# Altium PCB 掌控拓展板Ⅰ V2.0.PcbDoc (part 1 of 2)
Units mm, origin at the board's own origin, x right, y up, seen from the top; angles counter-clockwise.
Board outline 51.8 x 47.39 mm, 2 copper layers (Top Layer, Bottom Layer); 114 components, 71 nets, 372 pads, 179 vias.
Unrouted connection lines stored in the file: 4.
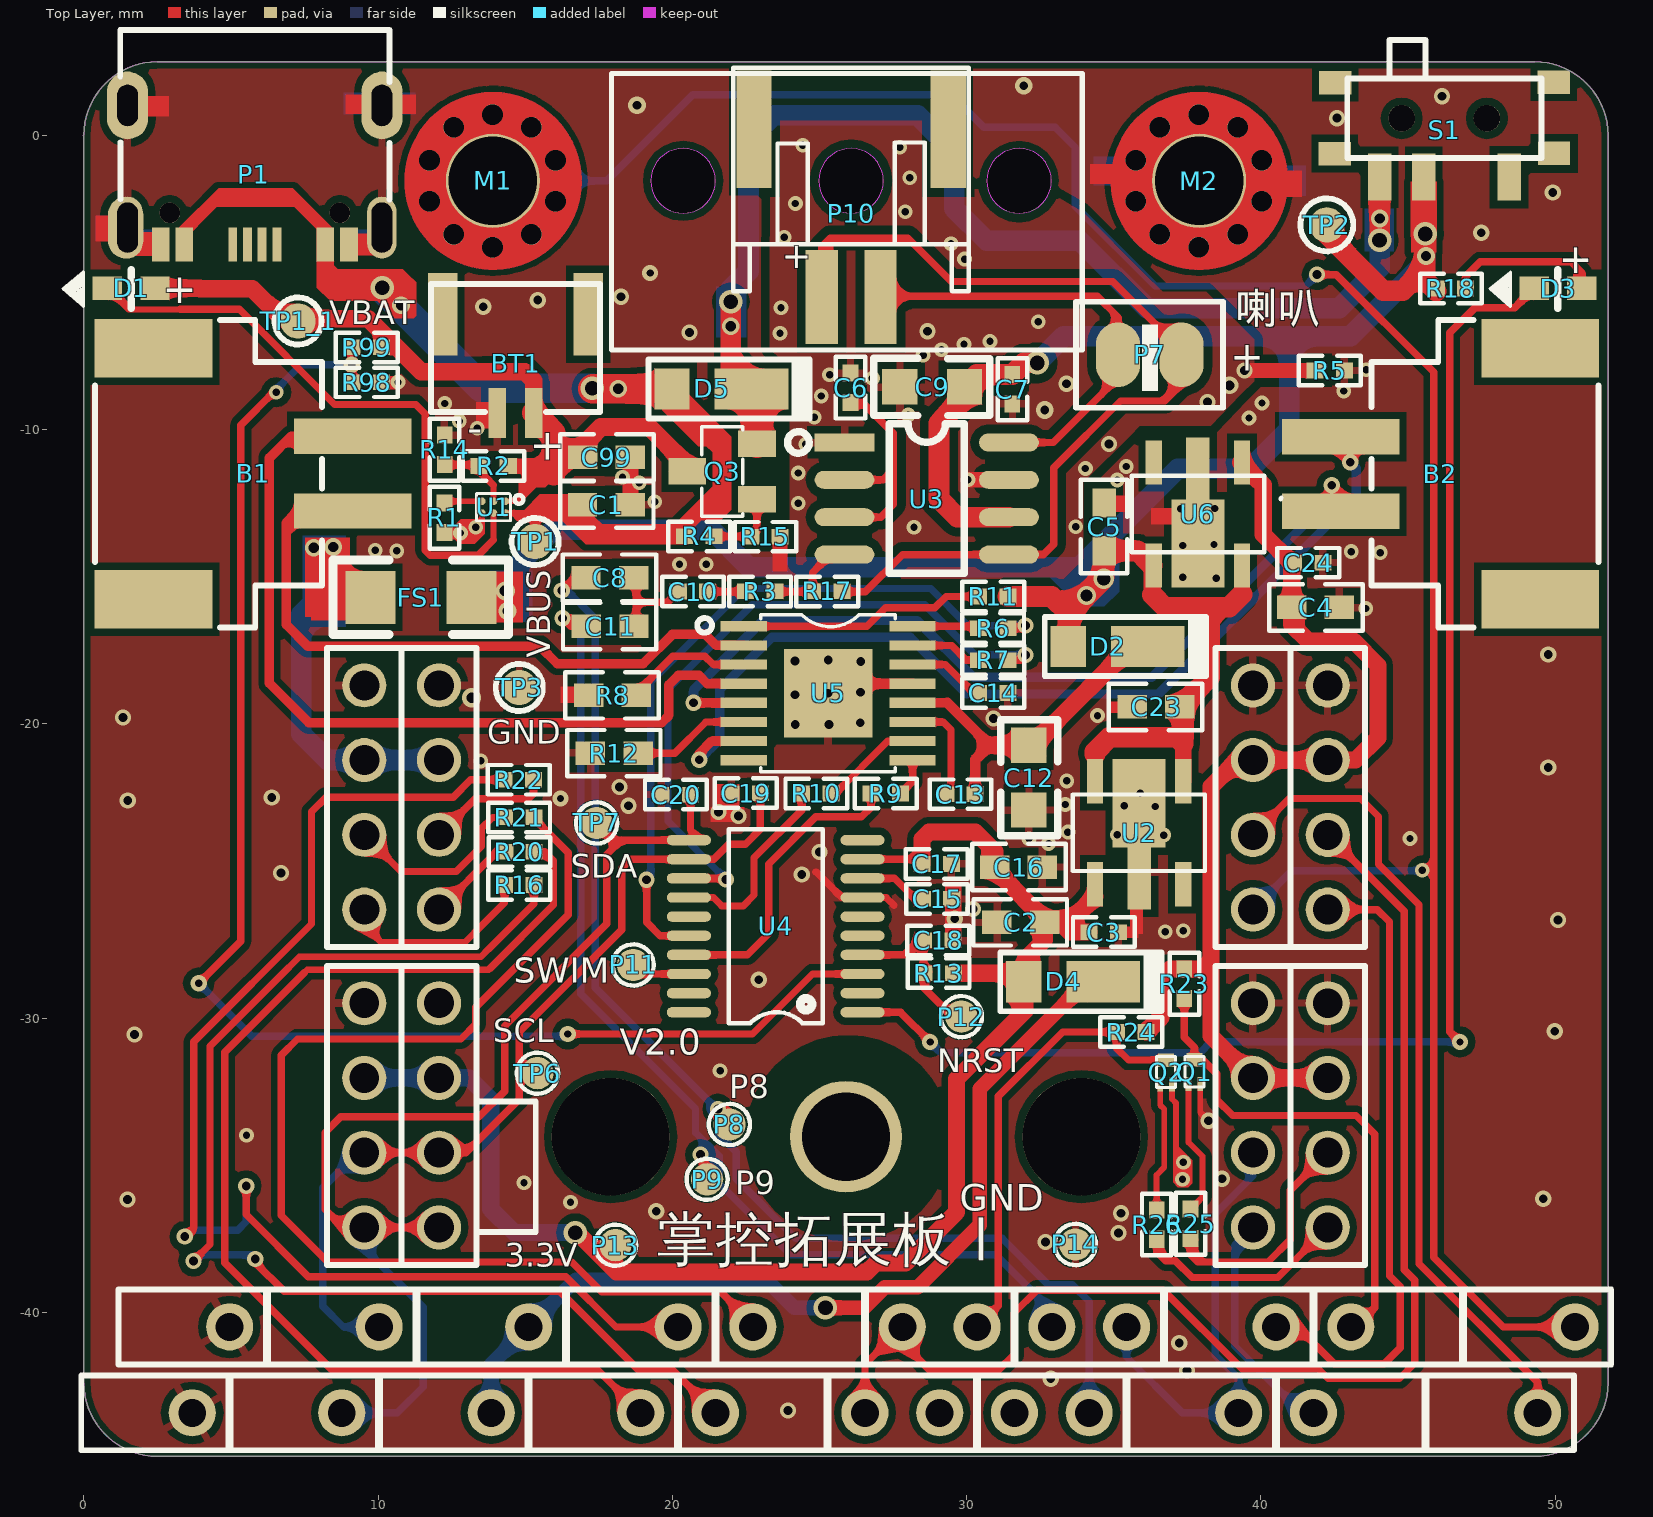
[diagram p0: Top Layer view]
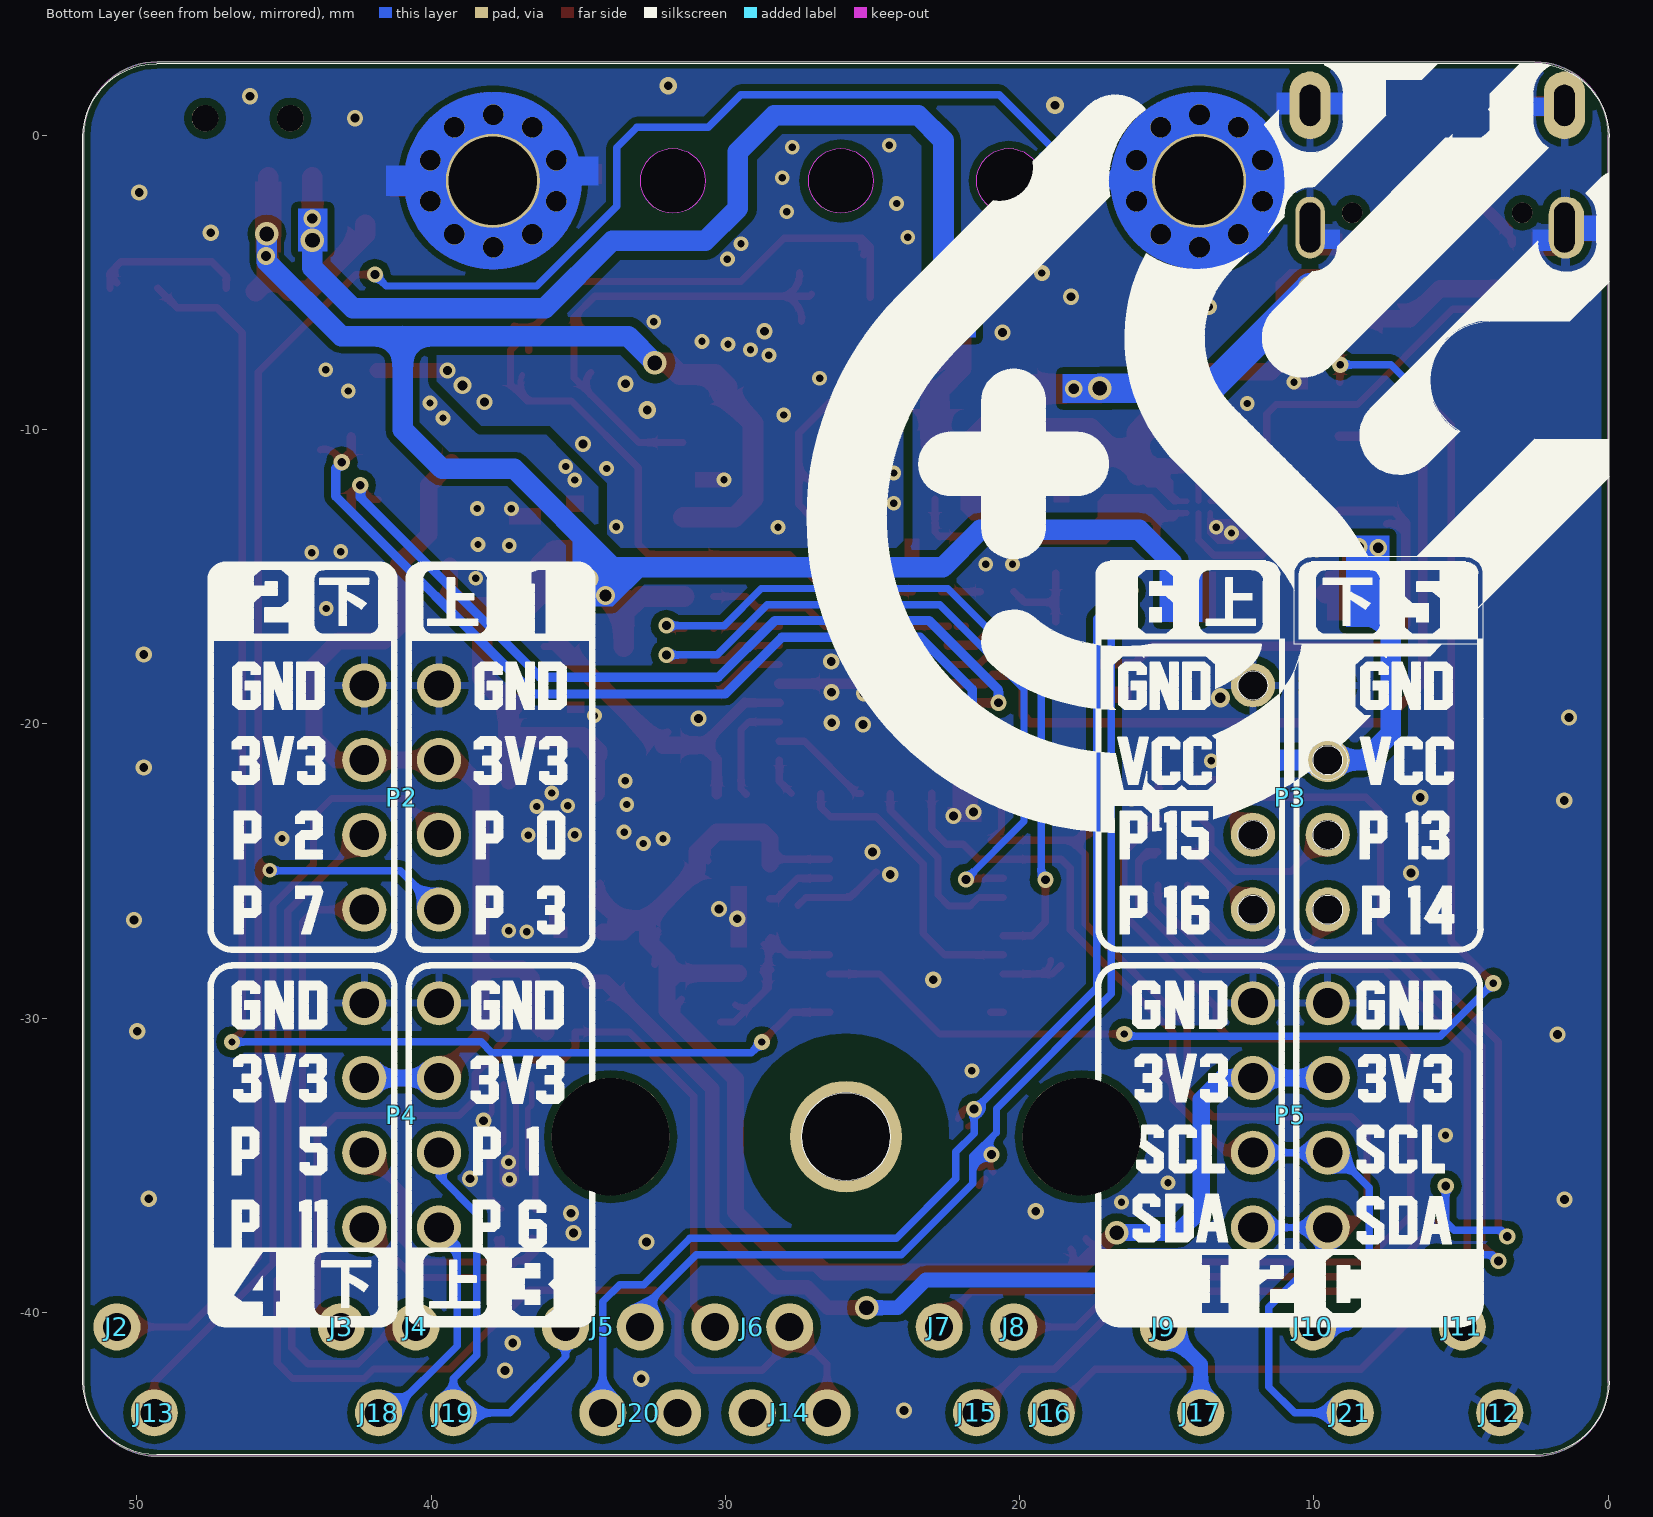
[diagram p1: Bottom Layer view, seen from below]

## Layer stack, top to bottom
Top Solder: solder mask 0.0102, Solder Resist, Dk 3.5
Top Layer: signal copper 0.0356
Dielectric 1: dielectric 0.32, FR-4, Dk 4.8
Bottom Layer: signal copper 0.0356
Bottom Solder: solder mask 0.0102, Solder Resist, Dk 3.5

## Board outline
0,-42.388 ccw(c2.507,-42.381) 2.5,-44.888 49.3,-44.888 ccw(c49.293,-42.38) 51.8,-42.388 51.8,0 ccw(c49.293,-0.007) 49.3,2.5 2.5,2.5 ccw(c2.507,-0.007) 0,0

## Design rules (kind name [scope] priority, off if disabled: settings)
Clearance Clearance_3 [InNet('AU_GND')] p1: gap=0.3
Clearance Clearance_2 [IsVia] p2: gap=0.25
Clearance Clearance_1 [IsPad] p3: gap=0.25
Clearance [All] p4: gap=0.22
PolygonConnect PolygonConnect_1 [IsVia] p1: connectstyle=Direct reliefconductorwidth=0.254 reliefentries=4 polygonreliefangle="90 Angle" airgapwidth=0.254
PolygonConnect [All] p2: connectstyle=Relief reliefconductorwidth=0.254 reliefentries=4 polygonreliefangle="90 Angle" airgapwidth=0.254
RoutingVias [All] p1: holewidth=0.711 width=1.27 viastyle="Through Hole" minholewidth=0.711 minwidth=1.27 maxholewidth=0.711 maxwidth=1.27
SolderMaskExpansion [All] p1: expansion=0.102
Width Width_13 [InNet('3V3_2')] p1: maxlimit=0.58 minlimit=0.58 preferedwidth=0.58
Width Width_12 [InNet('NetD4_C')] p2: maxlimit=0.5 minlimit=0.5 preferedwidth=0.5
Width Width_11 [InNet('3V3_1')] p3: maxlimit=0.58 minlimit=0.58 preferedwidth=0.58
Width Width_10 [InNet('NetD3_C')] p4: maxlimit=0.258 minlimit=0.258 preferedwidth=0.258
Width Width_9 [InNet('NetB2_2')] p5: maxlimit=0.32 minlimit=0.32 preferedwidth=0.32
Width Width_8 [InNet('NetB2_1')] p6: maxlimit=0.32 minlimit=0.32 preferedwidth=0.32
Width Width_7 [InNet('NetB1_2')] p7: maxlimit=0.32 minlimit=0.32 preferedwidth=0.32
Width Width_4 [InNet('NetB1_1')] p8: maxlimit=0.32 minlimit=0.32 preferedwidth=0.32
Width Width_6 [InNet('3V3_MCU')] p9: maxlimit=0.4 minlimit=0.4 preferedwidth=0.4
Width Width_5 [InNet('NetD5_C')] p10: maxlimit=1 minlimit=0.2 preferedwidth=0.7 minimp=50.000000 maximp=50.000000 favimp=50.000000
Width Width_3 [InNet('3V3')] p11: maxlimit=0.55 minlimit=0.55 preferedwidth=0.55
Width Width_2 [InNet('VCC')] p12: maxlimit=0.7 minlimit=0.7 preferedwidth=0.7
Width Width_1 [InNet('NetBT1_1')] p13: maxlimit=1 minlimit=0.2 preferedwidth=0.6 minimp=50.000000 maximp=50.000000 favimp=50.000000
Width [All] p14: maxlimit=0.25 minlimit=0.2 preferedwidth=0.25 minimp=50.000000 maximp=50.000000 favimp=50.000000
30 further rules are at their usual default settings.

## Classes and differential pairs
component class Designator: D4 FS1 J2 J3 J4 J5 J6 J7 J8 J9 J10 J11 J12 J13 J14 J15 J16 J17 J18 J19 J20 J21 M1 M2 P2 P3 P4 P5 Q1 Q2 R16 R20 R21 R22 R23 R24 R25 R26

## Components (designator, comment, footprint, x,y, rotation, side; value= is the part's Value field where it differs from the comment)
B1 "N20" 2PIN/2.54MM座子 5.752,-11.5 r270 top locked
B2 "N20" 2PIN/2.54MM座子 46.1,-11.5 r90 top locked
BT1 "3.7V,350mAh" 立式CH1.25MM/2P 14.67,-7.755 r180 top locked
C1 "10uF" C0603 17.756,-12.549 r0 top
C2 "10uF" 0603 31.837,-26.74 r180 top
C3 "0.1uF" 0402 34.663,-27.075 r0 top
C4 "10uF" 0603 41.858,-16.041 r0 top
C5 "10uF" 0603 34.669,-13.303 r90 top
C6 "1uF" 0402 26.054,-8.572 r90 top
C7 "0.1uF" 0402 31.555,-8.625 r90 top
C8 "10uF" 0603 17.874,-15.032 r180 top
C9 "47uF" 0805 28.829,-8.543 r180 top
C10 "0.1uF" 0402 20.701,-15.501 r180 top
C11 "10uF" 0603 17.886,-16.678 r180 top
C12 "47UF" 0805 32.113,-21.823 r270 top
C13 "0.01uF" 0402 29.79,-22.388 r180 top
C14 "2.2uF" 0402 30.904,-18.948 r0 top
C15 "0.68uF" 0402 28.993,-25.946 r180 top
C16 "10uF" 0603 31.764,-24.864 r0 top
C17 "0.1uF" 0402 28.983,-24.76 r0 top
C18 "0.1uF" 0402 29.033,-27.354 r0 top
C19 "30pF" 0402 22.49,-22.351 r180 top
C20 "30pF" 0402 20.12,-22.403 r180 top
C23 "10uF" 0603 36.438,-19.423 r180 top (schematic designator C12)
C24 "0.1uF" 0402 41.608,-14.521 r0 top
C99 "4.7uF" C0603 17.758,-10.94 r0 top (schematic designator C21)
D1 "红" 0603LED 1.609,-5.198 r0 top (schematic designator D4)
D2 "SBR2U30P1" POWERDI123 34.802,-17.367 r0 top
D3 "绿" 0603LED 50.099,-5.2 r0 top (schematic designator D2)
D4 "SBR2U30P1" POWERDI123 33.289,-28.762 r0 top
D5 "SBR2U30P1" POWERDI123 21.339,-8.616 r0 top
FS1 "MF-NSMF200-2" R1206 11.452,-15.697 r0 top
J2 "" 顶针座子（2.54MM）#1 49.404,-40.492 r180 bottom locked
J3 "" 顶针座子（2.54MM）#2 44.324,-40.492 r180 bottom locked
J4 "" 顶针座子（2.54MM）#1 39.244,-40.492 r180 bottom locked
J5 "" 顶针座子（2.54MM）#3 34.164,-40.492 r180 bottom locked
J6 "" 顶针座子（2.54MM）#3 29.084,-40.492 r180 bottom locked
J7 "" 顶针座子（2.54MM）#2 24.004,-40.492 r180 bottom locked
J8 "" 顶针座子（2.54MM）#1 18.924,-40.492 r180 bottom locked
J9 "" 顶针座子（2.54MM）#1 13.844,-40.492 r180 bottom locked
J10 "" 顶针座子（2.54MM）#1 8.764,-40.492 r180 bottom locked
J11 "" 顶针座子（2.54MM）#1 3.684,-40.492 r180 bottom locked
J12 "" 顶针座子（2.54MM）#1 2.414,-43.412 r180 bottom locked
J13 "" 顶针座子（2.54MM）#1 48.134,-43.412 r180 bottom locked
J14 "" 顶针座子（2.54MM）#3 27.814,-43.412 r180 bottom locked
J15 "" 顶针座子（2.54MM）#2 22.734,-43.412 r180 bottom locked
J16 "" 顶针座子（2.54MM）#1 17.654,-43.412 r180 bottom locked
J17 "" 顶针座子（2.54MM）#1 12.574,-43.412 r180 bottom locked
J18 "" 顶针座子（2.54MM）#2 43.054,-43.412 r180 bottom locked
J19 "" 顶针座子（2.54MM）#1 37.974,-43.412 r180 bottom locked
J20 "" 顶针座子（2.54MM）#3 32.894,-43.412 r180 bottom locked
J21 "" 顶针座子（2.54MM）#1 7.494,-43.412 r180 bottom locked
M1 "" 3MM螺丝孔 13.9,-1.544 r180 top locked
M2 "" 3MM螺丝孔 37.9,-1.544 r180 top locked
P1 "USB Type-C" TYPC-16PIN 5.804,-1.344 r180 top locked
P2 "Header 4X2" 双拼弯角排针2.54/4P#1 41,-22.5 r90 bottom locked
P3 "Header 4X2" 双拼弯角排针2.54/4P#1 10.801,-22.499 r90 bottom locked
P4 "Header 4X2" 双拼弯角排针2.54/4P#1 41,-33.3 r90 bottom locked
P5 "Header 4X2" 双拼弯角排针2.54/4P#2 10.799,-33.098 r90 bottom locked
P7 "speaker" 焊盘 36.211,-7.455 r0 top (schematic designator BT1)
P8 "" 测试点#1 21.939,-33.61 r0 top
P9 "" 测试点#1 21.179,-35.475 r0 top
P10 "NC" 2PIN/2.0MM座子 26.073,-2.645 r180 top locked
P11 "" 测试点#1 18.668,-28.191 r0 top (schematic designator P8)
P12 "" 测试点#1 29.821,-29.946 r0 top (schematic designator P8)
P13 "" 测试点#1 18.066,-37.712 r0 top (schematic designator P8)
P14 "" 测试点#1 33.692,-37.688 r0 top (schematic designator P8)
Q1 "J3Y" "DFN 3L" 37.738,-31.82 r270 top
Q2 "J3Y" "DFN 3L" 36.779,-31.832 r270 top
Q3 "SI2301" SOT23-3 21.692,-11.421 r90 top
R1 "120K" R0402 12.256,-12.99 r270 top
R2 "0R" R0402 13.923,-11.235 r0 top
R3 "1K" 0402 22.982,-15.496 r180 top
R4 "1k" R0402 20.912,-13.628 r0 top
R5 "0R" 0402 42.34,-7.991 r0 top
R6 "1K" 0402 30.898,-16.744 r0 top
R7 "1K" 0402 30.904,-17.831 r0 top
R8 "0.2R" 0603 17.968,-19.027 r180 top
R9 "1K" 0402 27.253,-22.363 r180 top
R10 "1K" 0402 24.894,-22.363 r180 top
R11 "47K" 0402 30.904,-15.67 r0 top
R12 "0.2R" 0603 18.026,-20.994 r180 top
R13 "10K" 0402 29.048,-28.472 r0 top
R14 "NC" R0402 12.261,-10.686 r270 top
R15 "10k" R0402 23.163,-13.638 r0 top
R16 "200R" 0402 14.798,-25.473 r0 top
R17 "6.81K" 0402 25.262,-15.496 r180 top
R18 "2.2K" 0402 46.458,-5.202 r180 top
R20 "200R" 0402 14.804,-24.344 r180 top
R21 "200R" 0402 14.791,-23.178 r0 top
R22 "200R" 0402 14.778,-21.897 r0 top
R23 "NC" 0402 37.4,-28.831 r90 top
R24 "NC" 0402 35.595,-30.469 r0 top
R25 "1K" 0402 37.607,-36.988 r270 top
R26 "1K" 0402 36.458,-37.012 r270 top
R98 "200K" R0402 9.617,-8.39 r0 top (schematic designator R22)
R99 "200K" R0402 9.617,-7.203 r180 top (schematic designator R22)
S1 "SW-SPDT" MSK-12C01-07(1P2T) 46.234,0.195 r0 top locked
S3 "SW-SPDT" MSK-12C01-07(1P2T) 199.783,29.014 r0 top
S4 "SW-SPDT" MSK-12C01-07(1P2T) 255.583,29.02 r0 top
S5 "SW-SPDT" MSK-12C01-07(1P2T) 199.783,-22.376 r0 top
S6 "SW-SPDT" MSK-12C01-07(1P2T) 255.583,-22.37 r0 top
TP1 "VBUS" 测试点#2 15.336,-13.801 r0 top
TP1_1 "VBUS" 测试点#2 7.28,-6.308 r0 top (schematic designator TP1)
TP2 "VCC" 测试点#2 42.239,-3.041 r180 top locked
TP3 "GND" 测试点#2 14.797,-18.762 r0 top
TP6 "SCL" 测试点#1 15.416,-31.868 r180 top
TP7 "SDA" 测试点#1 17.426,-23.365 r180 top
U1 "SGM40567-4.3" SGM40567 13.922,-12.634 r270 top (schematic designator U7)
U2 "CE6210B33P" SOT89-5 35.861,-23.7 r0 top
U3 "MIX2002" SOP-8 28.643,-12.34 r0 top
U4 "'STM8S003F3P6" TSSOP-20 23.51,-26.873 r180 top (schematic designator U8)
U5 "DRV8833" "HTSSOP -16(PWP)" 25.293,-18.957 r270 top (schematic designator U6)
U6 "CE6210B33P" SOT89-5 37.855,-12.865 r180 top

## Footprints (in the part's own frame and the unit in brackets; to place one, negate y for a bottom-side part, rotate by r counter-clockwise, add the part's x,y. Pads: shape width x height; smd on the part's side, far side on the other; paste and mask are expansions set on the pad)
2PIN/2.0MM座子 [mm]
  rect 1.1x3.2 smd mask+0.1: 1(-1,2.85) 2(1,2.85)
  rect 1.2x4 smd mask+0.1: 2(3.3,-2.85) 3(-3.3,-2.85)
  silkscreen extent -4,-4.95 4,2.65
2PIN/2.54MM座子 [mm]
  rect 1.2x4 smd: 1(1.264,3.387) 2(-1.276,3.387)
  rect 2x4 smd: ""(-4.264,-3.387) ""(4.264,-3.387)
  silkscreen extent -5.22,-5.37 5.22,2.34
3MM螺丝孔 [mm]
  round 3.2 hole 3: 1(0,0)
  round 0.7 hole 0.7: 12(1.335,1.821) 13(0.012,2.251) 14(-1.311,1.82) 15(-2.128,0.694) 16(-2.129,-0.694) 18(-1.31,-1.821) 19(0.012,-2.249) 20(1.334,-1.82) 22(2.152,-0.696) 24(2.152,0.695)
  Top Layer drawing of 1328 lines, arcs and shapes, not listed
  Bottom Layer drawing of 1328 lines, arcs and shapes, not listed
0402 [mm]
  rect 0.58x0.53 smd: 1(0.5,0) 2(-0.5,0)
  silkscreen extent -1.05,-0.5 1.05,0.5
0603 [mm]
  rect 1x0.8 smd: 1(-0.81,0) 2(0.81,0)
  silkscreen extent -1.57,-0.79 1.6,0.79, body extent -0.81,-0.4 0.79,0.4, height 0.45
0603LED [mm]
  rect 1x0.8 smd: A(0.81,0) C(-0.81,0)
  silkscreen extent -2.31,-0.67 0,0.64
0805 [mm]
  rect 1.2x1.2 smd: 1(-1.1,0) 2(1.1,0)
  silkscreen extent -1.96,-0.96 1.98,0.98
C0603 [mm]
  rect 1x0.8 smd: 1(-0.81,0) 2(0.81,0)
  silkscreen extent -1.57,-0.79 1.6,0.79, body extent -0.8,-0.41 0.8,0.41, height 0.81
"DFN 3L" [mm]
  rect 0.48x0.2 smd: 1(0.42,-0.2) 2(0.42,0.2)
  rect 0.46x0.55 smd: 3(-0.41,0)
  silkscreen extent -0.53,-0.33 0.53,0.33
"HTSSOP -16(PWP)" [mm] "ERP-321210028"
  rect 3x3 smd: 0(0,0)
  rect 0.35x1.57 smd: 1(-2.275,-2.87) 2(-1.625,-2.87) 3(-0.975,-2.87) 4(-0.325,-2.87) 5(0.325,-2.87) 6(0.975,-2.87) 7(1.625,-2.87) 8(2.275,-2.87) 9(2.275,2.87) 10(1.625,2.87) 11(0.975,2.87) 12(0.325,2.87) 13(-0.325,2.87) 14(-0.975,2.87) 15(-1.625,2.87) 16(-2.275,2.87)
  silkscreen extent -2.67,-4.45 2.67,2.29
MSK-12C01-07(1P2T) [mm] "贴片7脚拨动开关"
  rect 1.1x0.8 smd: 0(-3.727,-0.814) 0(-3.708,1.592) 0(3.718,1.615) 0(3.727,-0.808)
  round 0.9 hole 0.9: 0(-1.452,0.385) 0(1.448,0.385)
  rect 0.8x1.6 smd: 1(2.198,-1.615) 2(-2.202,-1.615) 3(-0.702,-1.615)
  silkscreen extent -3.3,-0.96 3.3,3.04
POWERDI123 [mm] "ERP-323110003"
  rect 1.2x1.4 smd: A(-1.35,0)
  rect 2.5x1.4 smd: C(1.35,0)
  silkscreen extent -2.15,-1 3.33,1
R0402 [mm]
  rect 0.58x0.53 smd: 1(0.5,0) 2(-0.5,0)
  silkscreen extent -1.05,-0.5 1.05,0.5, body extent -0.5,-0.25 0.5,0.25, height 0.3
R1206 [mm]
  rect 1.7x1.8 smd: 1(-1.714,0) 2(1.714,0)
  silkscreen extent -2.98,-1.27 2.98,1.27, body extent -1.6,-0.8 1.6,0.8, height 0.55
SGM40567 [mm]
  round 0.26 smd mask+0.05: A1(-0.2,0.4) A2(0.2,0.4) B1(-0.2,0) B2(0.2,0) C1(-0.2,-0.4) C2(0.2,-0.4)
  silkscreen extent -0.46,-0.58 0.46,1.02, body extent -0.46,-0.58 0.46,0.58, height 0.55
SOP-8 [mil]
  rect 80x24 smd: 1(-110,75)
  oval 80x24 smd: 2(-110,25) 3(-110,-25) 4(-110,-75) 5(110,-75) 6(110,-25) 7(110,25) 8(110,75)
  silkscreen extent -50,-100 50,100
SOT23-3 [mm]
  rect 0.9x1.28 smd: 1(-0.95,-1.185) 2(0.95,-1.185) 3(0,1.185)
  silkscreen extent -1.52,-0.7 1.52,0.7, body extent -1.5,-1.32 1.5,1.32, height 1.08
SOT89-5 [mm]
  rect 0.55x1.5 smd: 1(-1.5,-1.75) 3(1.5,-1.75) 4(1.5,1.75) 5(-1.5,1.75)
  rect 1.8x3 smd: 2(0,1)
  rect 0.8x2.5 smd: 2(0,-1.35)
  silkscreen extent -2.26,-1.3 2.24,1.3
TSSOP-20 [mm]
  oval 1.5x0.35 smd: 1(-2.95,2.925) 2(-2.95,2.275) 3(-2.95,1.625) 4(-2.95,0.975) 5(-2.95,0.325) 6(-2.95,-0.325) 7(-2.95,-0.975) 8(-2.95,-1.625) 9(-2.95,-2.275) 10(-2.95,-2.925) 11(2.95,-2.925) 12(2.95,-2.275) 13(2.95,-1.625) 14(2.95,-0.975) 15(2.95,-0.325) 16(2.95,0.325) 17(2.95,0.975) 18(2.95,1.625) 19(2.95,2.275) 20(2.95,2.925)
  silkscreen extent -1.6,-3.3 1.6,3.3
TYPC-16PIN [mm]
  oval 1.2x2.1 all layers, no hole: 0(4.383,1.788)
  round 0.7 hole 0.7: 4(-2.895,1.288) 4(2.885,1.288)
  oval 1x2.1 hole 0.7 slot 1.7 at 90 deg: A(-4.325,1.787) B(4.315,1.787)
  rect 0.3x1.15 smd mask+0: A1(-3.355,2.362)
  rect 0.3x1.15 smd: A4(-2.555,2.362) A6(-0.255,2.362) A7(0.245,2.362) A9(2.545,2.362) A12(3.345,2.362) B1(3.045,2.362) B4(2.245,2.362) B6(0.745,2.362) B7(-0.755,2.362) B9(-2.255,2.362) B12(-3.055,2.362)
  rect 0.3x1.15 on Top Overlay: A5(-1.255,2.362) A8(-1.755,2.362) B5(1.745,2.362) B8(1.245,2.362)
  oval 1.4x2.3 hole 0.7 slot 1.4 at 90 deg: C(-4.325,-2.362) D(4.315,-2.362)
  silkscreen extent -4.58,-4.93 4.57,0.84, body extent -4.5,-5.01 4.44,2.57, height 3.25
双拼弯角排针2.54/4P#1 [mm]
  round 1.5 hole 1.016: 1(-3.81,-1.27) 2(-3.81,1.27) 3(-1.27,-1.27) 4(-1.27,1.27) 5(1.27,-1.27) 6(1.27,1.27) 7(3.81,-1.27) 8(3.81,1.27)
双拼弯角排针2.54/4P#2 [mm]
  round 1.5 hole 1.016: 1(-4.012,-1.269) 2(-4.012,1.271) 3(-1.472,-1.269) 4(-1.472,1.271) 5(1.068,-1.269) 6(1.068,1.271) 7(3.608,-1.269) 8(3.608,1.271)
测试点#1 [mm]
  round 1.1 smd: 1(0,0)
  silkscreen extent -0.7,-0.7 0.7,0.7
测试点#2 [mm]
  round 1.2 smd: 1(0,0)
  silkscreen extent -0.8,-0.8 0.8,0.8
焊盘 [mm]
  oval 1.5x2.2 smd: 1(-1.07,0) 2(1.091,0)
  silkscreen extent -2.5,-1.8 2.5,1.8
立式CH1.25MM/2P [mm]
  rect 0.6x1.7 smd: 1(-0.625,1.675) 2(0.625,1.675)
  rect 1x2.8 smd: 3(-2.475,-1.675) 4(2.475,-1.675)
  silkscreen extent -2.88,-2.7 2.88,1.65
顶针座子（2.54MM）#1 [mm]
  round 1.6 hole 0.95: 1(-1.27,0)
顶针座子（2.54MM）#2 [mm]
  round 1.6 hole 0.95: 2(1.27,0)
顶针座子（2.54MM）#3 [mm]
  round 1.6 hole 0.95: 1(-1.27,0) 2(1.27,0)

## Part data
B1 B2: library part Motor, "Motor, General Kind"
BT1: library part Battery, "4.2V Li-lon"
C1 C2 C3 C4 C5 C6 C7 C8 C9 C10 C11 C13 C14 C15 C16 C17 C18 C19 C20 C23 C24 C99: library part CAP1_npol, "CAP, CERM, 0.01uF, 100V, +/-5%, X7R, 0603"
C12: library part CAP3_pol, "CAP ALUM 22UF 10V 20% SMD"
D1 D3: library part LED1
D2 D4 D5: library part Diode_Schottky
FS1: library part 电子保险丝, "保险管"
J2 J3 J4 J5 J6 J7 J8 J9 J10 J11: library part pogopin
J12 J13 J14 J15 J16 J17 J18 J19 J20 J21: library part pogopin_32
M1 M2: library part screw
P2 P3 P4 P5: "Header, 4-Pin, Dual row"
P7 P10: library part "Header 2", "Header, 2-Pin"
P8 P9 P11 P12 P13 P14 TP1 TP1_1 TP2 TP3 TP6 TP7: library part TP, "Test Point"
Q1 Q2: library part 2N3904, "NPN General Purpose Amplifier"
Q3: library part PMOS
R1 R2 R3 R5 R6 R7 R8 R9 R10 R11 R12 R13 R14 R16 R17 R18 R20 R21 R22 R23 R24 R25 R26 R98 R99: library part RES1, "RES, 1.0k ohm, 5%, 0.1W, 0603"
R4 R15: library part Res2, "Resistor"
S1 S3 S4 S5 S6: "SPDT Subminiature Toggle Switch, Right Angle Mounting, Vertical Actuation"
U1: library part SGM40567, "充电IC"
U2 U6: library part AP2112K
U4: library part STM8S103F2P6, "ST 8-bit  Microcontroller"
U5: library part DRV8833PWP, "DUAL H-BRIDGE MOTOR DRIVER"

## Free pads (board coordinates)
  round 1 smd: 0(25.9,-34.027)
  round 1 hole 1: 1(25.9,-34.027)
  round 1.2 all layers, no hole: 2(150.304,19.147) 2(265.101,-53.691) 3(264.493,19.268)
  round 4 hole 4: 8(17.9,-34.027) 8(33.9,-34.027) 8(33.9,-34.027)
  round 2.2 hole 2.2: 28(20.364,-1.545) 28(26.072,-1.545) 28(31.781,-1.545)
  round 3.8 hole 3: M3(25.9,-34.027)

## Via types
v1: diameter 0.5, hole 0.25, Top Layer to Bottom Layer, tented both sides, 78 vias
v2: diameter 0.55, hole 0.3, Top Layer to Bottom Layer, tented both sides, 70 vias
v3: diameter 0.6, hole 0.35, Top Layer to Bottom Layer, tented both sides, 9 vias
v4: diameter 0.8, hole 0.5, Top Layer to Bottom Layer, tented both sides, 8 vias
v5: diameter 0.55, hole 0.25, Top Layer to Bottom Layer, tented both sides, 7 vias
v6: diameter 0.6, hole 0.3, Top Layer to Bottom Layer, tented both sides, 3 vias
v7: diameter 0.65, hole 0.4, Top Layer to Bottom Layer, tented both sides, 2 vias
v8: diameter 0.65, hole 0.35, Top Layer to Bottom Layer, tented both sides, 1 vias
v9: diameter 0.7, hole 0.45, Top Layer to Bottom Layer, tented both sides, 1 vias

## Nets (pads, with @x,y where several pads share a name; then routed paths per layer and width w, separated by ;. In a path a pad name is that pad's centre, name@x,y a point inside that pad or via, vN(x,y) a via of type N, cw(c..) or ccw(c..) an arc to the next point about the centre after c; other vN are vias at no path point)
3V3_1: C2.1 C3.2 C16.1 C17.2 D4.A P5.5 P5.6 P13.1 R13.1 U2.1 U4.9 | length 59.2
  Top Layer w0.25: 17.25,-37.626 ccw(c17.433,-37.314) P13.1@17.744,-37.497 ; P13.1@18.253,-37.849 ccw(c18.659,-38.108) 18.4,-38.515 ; U4.9@26.46,-24.598 C17.2@28.229,-24.598 ; 27.884,-24.596 ccw(c27.901,-24.174) 28.324,-24.19 ; 30.418,-23.977 cw(c30.171,-24.402) C16.1@30.596,-24.648 ; 31.259,-28.294 ccw(c31.369,-27.828) 31.835,-27.937 ; D4.A@31.492,-29.359 cw(c31.212,-29.701) 31.554,-29.982 ; C2.1@32.291,-27.025 cw(c32.056,-27.269) 32.3,-27.505 ; D4.A@32.4,-28.166 cw(c32.652,-27.956) 32.443,-27.704 ; C2.1@32.838,-26.435 ccw(c33.04,-25.206) U2.1@34.269,-25.408 ; 33.907,-26.388 ccw(c34.379,-26.603) C3.2@34.163,-27.075
  Top Layer w0.58: v4@16.808,-37.328 18.107,-38.628 26.607,-38.628 26.915,-38.32 27.928,-38.32 29.657,-36.591 29.657,-32.07 31.979,-29.749 31.979,-28.008 32.648,-27.339 C2.1@32.648,-26.74 ; C17.2@28.483,-24.76 28.483,-23.916 28.728,-23.671 30.292,-23.671 30.954,-24.332 C16.1@30.954,-24.864 30.954,-24.947 32.648,-26.641 C2.1@32.648,-26.74 ; R13.1@29.548,-28.472 31.649,-28.472 D4.A@31.939,-28.762 ; C3.2@34.163,-27.075 33.496,-27.075 33.162,-26.74 ; U2.1@34.361,-25.86 33.481,-26.74 33.162,-26.74 ; C2.1@32.648,-26.74 33.162,-26.74
  Bottom Layer w0.58: P5.5@9.53,-32.03 P5.6@12.07,-32.03 13.098,-32.03 13.829,-32.761 13.829,-36.49 14.626,-37.286 v4(16.696,-37.286)
3V3_2: C4.1 C24.2 P2.5 P2.6 P4.5 P4.6 R23.1 R24.1 U6.1 | length 40.5
  Top Layer w0.25: R23.1@37.633,-28.436 cw(c37.686,-28.95) 38.199,-28.897 ; 37.674,-28.173 ccw(c37.742,-27.75) 38.165,-27.819 ; C4.1@41.404,-16.137 ccw(c41.84,-16.444) 41.533,-16.881
  Top Layer w0.58: R24.1@36.095,-30.469 36.595,-29.969 36.595,-28.644 36.909,-28.331 R23.1@37.4,-28.331 38.274,-28.331 38.307,-28.297 ; U6.1@39.313,-11.116 40.079,-11.883 40.079,-13.567 41.102,-14.589 41.047,-14.643 C4.1@41.047,-16.041 41.047,-16.626 41.597,-17.176 43.142,-17.176 43.976,-18.01 43.976,-20.471 43.216,-21.23 P2.6@42.27,-21.23 P2.5@39.73,-21.23 39.209,-21.23 38.307,-22.132 38.307,-28.297 ; P4.6@42.27,-32.03 P4.5@39.73,-32.03 38.307,-30.607 38.307,-28.297
  Bottom Layer w0.58: P4.5@39.562,-32.03 P4.5@39.73,-32.03 P4.6@42.27,-32.03
AIN1: R6.1 U4.16 | length 25.1
  Top Layer w0.25: v2(19.124,-25.297) 19.124,-26.744 19.577,-27.198 U4.16@20.56,-27.198 ; R6.1@31.398,-16.744 31.918,-16.744 v2(32.003,-16.659)
  Bottom Layer w0.25: v2(19.124,-25.297) 19.268,-25.152 19.268,-18.577 22.447,-15.398 28.775,-15.398 30.036,-16.659 v2(32.003,-16.659)
AIN2: R7.1 U4.13 | length 23.3
  Top Layer w0.25: U4.13@20.56,-25.248 21.787,-25.248 v2(21.823,-25.284) ; R7.1@31.404,-17.831 31.821,-17.831 v2(31.997,-17.655)
  Bottom Layer w0.25: v2(21.823,-25.284) 19.851,-23.313 19.851,-18.818 22.72,-15.95 28.574,-15.95 30.279,-17.655 v2(31.997,-17.655)
AU_GND: C6.1 C7.2 C9.2 R5.2 U3.1 U3.7 | length 2.5
  Top Layer w0.25: v2@39.35,-8.077 v2(39.437,-7.991)
  Top Layer w0.5: v2(39.437,-7.991) R5.2@41.84,-7.991
  other v1: 28.213,-13.318 33.705,-13.303 24.28,-12.504 30.046,-11.705 24.28,-11.473 34.036,-11.321 24.53,-10.5 24.825,-9.581 28.011,-9.501 25.057,-8.858 26.797,-8.251 25.342,-8.135 28.52,-7.475 29.145,-7.287 29.912,-7.1 30.796,-7.002 23.656,-6.725 32.43,-6.329 23.691,-5.859 29.93,-4.204 29.466,-3.682 23.798,-3.46 27.911,-2.591 24.181,-2.313 28.068,-1.445 27.728,-0.399 24.435,-0.332
  other v2: 34.841,-10.492 38.187,-9.063 33.393,-8.439 28.671,-6.656
  other v3: 38.93,-8.496
  other v6: 32.657,-9.334
BIN1: R9.1 U4.17 | length 10.1
  Top Layer w0.25: U4.17@20.56,-27.848 22.55,-27.848 23.275,-27.124 23.275,-24.759 24.875,-23.159 26.426,-23.159 26.753,-22.832 R9.1@26.753,-22.363
BIN2: R10.1 U4.14 | length 6.6
  Top Layer w0.25: U4.14@20.56,-25.898 21.396,-25.898 21.684,-26.186 22.403,-26.186 22.775,-25.814 22.775,-24.552 24.394,-22.932 R10.1@24.394,-22.363
GND: BT1.2 C1.2 C2.2 C3.1 C4.2 C5.2 C12.2 C14.1 C15.2 C16.2 C17.1 C18.1 C19.1 C20.1 C23.2 C24.1 C99.2 J11.1 J12.1 M2.1 P1.0 P1.A P1.A1 P1.A12 P1.B P1.B1 P1.B12 P1.C P1.D P2.7 P2.8 P3.7 P3.8 P4.7 P4.8 P5.7 P5.8 P14.1 Q1.2 Q2.2 R1.1 R5.1 R8.2 R12.2 R14.2 R15.1 R98.1 TP3.1 U1.C2 U2.2 U4.7 U5.0 U5.13 U6.2 | length 11.3
  Top Layer w0.2: R1.1@12.463,-13.49 13.271,-13.49 13.522,-13.239 U1.C2@13.522,-12.834 ; Q2.2@36.979,-32.252 36.979,-32.746 37.12,-32.887 37.12,-34.844 ; Q1.2@37.938,-32.24 37.938,-33.205 v2(38.219,-33.485)
  Top Layer w0.25: 24.862,-25.032 24.891,-25.032 25.757,-25.898 U4.7@26.46,-25.898 27.262,-25.898 27.53,-26.166
  Top Layer w0.35: U5.0@25.618,-18.632 U5.13@28.163,-18.632
  other v1: 16.537,-36.255 14.956,-35.592 37.336,-35.477 37.365,-34.898 5.528,-33.973 21.621,-31.79 36.744,-27.062 37.365,-27.032 32.785,-24.062 32.116,-23.898 45.066,-23.895 36.703,-23.778 35.121,-23.765 33.442,-23.675 36.408,-22.808 35.359,-22.778 33.348,-22.737 35.897,-22.347 33.402,-21.936 13.484,-21.257 34.447,-19.716 43.562,-16.076 38.481,-15.054 37.34,-15.017 20.243,-14.575 21.152,-14.57 44.055,-14.177 43.073,-14.144 10.63,-14.12 9.904,-14.097 37.34,-13.936 38.404,-13.901 12.8,-13.514 13.318,-13.319 37.27,-12.686 38.427,-12.68 19.399,-12.453 18.877,-11.808 35.116,-11.71 18.303,-11.614 35.423,-11.254 13.366,-9.949 12.762,-9.709 39.595,-9.605 12.27,-9.111 40.037,-9.094 42.816,-8.687 10.678,-8.384 43.583,-7.966
  other v2: 23.927,-43.326 32.86,-42.251 37.489,-41.969 37.222,-41.034 32.683,-37.605 35.163,-37.299 35.243,-36.628 19.451,-36.559 1.486,-36.161 49.592,-36.136 38.674,-35.454 1.721,-30.554 49.986,-30.441 22.935,-28.694 50.099,-26.663 29.598,-26.621 30.219,-26.29 24.395,-25.12 6.698,-25.065 25.001,-24.351 22.25,-23.124 21.568,-22.998 18.505,-22.78 1.495,-22.603 6.383,-22.498 18.205,-22.142 49.761,-21.476 24.176,-20.024 25.325,-20.017 26.382,-19.96 30.911,-19.813 1.334,-19.779 24.169,-19.009 25.293,-18.957 26.392,-18.921 24.162,-17.867 26.403,-17.874 25.297,-17.825 49.761,-17.641 20.583,-6.696 13.571,-5.825 15.425,-5.6 18.249,-5.486 47.488,-3.311 49.916,-1.938 42.586,0.585 46.152,1.332
  other v5: 16.198,-22.532 19.244,-4.677
  other v6: 18.796,1.025 31.938,1.684
  other v8: 13.178,-19.11
NetB1_1: B1.1 U5.2 | length 23.4
  Top Layer w0.25: 6.888,-13.547 cw(c7.382,-13.694) B1.1@7.529,-13.2
  Top Layer w0.32: B1.1@9.139,-12.764 7.271,-12.764 6.877,-13.158 6.877,-16.625 7.618,-17.367 15.499,-17.367 16.086,-17.954 19.005,-17.954 20,-16.959 21.12,-16.959 21.493,-17.332 U5.2@22.423,-17.332
NetB1_2: B1.2 U5.4 | length 29.8
  Top Layer w0.25: 6.622,-10.664 cw(c7.073,-11.025) B1.2@7.435,-10.575
  Top Layer w0.32: B1.2@9.139,-10.224 7.043,-10.224 6.307,-10.96 6.307,-18.617 7.648,-19.959 19.636,-19.959 19.883,-19.712 19.883,-18.67 20.201,-18.352 20.9,-18.352 20.904,-18.349 21.188,-18.632 U5.4@22.423,-18.632
NetB2_1: B2.1 U5.7 | length 34
  Top Layer w0.25: v2@43.113,-11.065 cw(c43.625,-11.199) B2.1@43.759,-10.687
  Top Layer w0.32: v2(20.911,-21.215) 20.911,-21.006 21.334,-20.582 U5.7@22.423,-20.582 ; B2.1@42.713,-10.236 42.713,-10.785 v2(43.035,-11.107)
  Bottom Layer w0.25: v2@43.017,-11.263 cw(c42.96,-11.54) 43.238,-11.597
  Bottom Layer w0.32: v2(20.911,-21.215) 21.615,-20.511 21.615,-18.824 23.384,-17.055 28.077,-17.055 30.006,-18.984 36.523,-18.984 43.241,-12.266 43.241,-11.313 v2(43.035,-11.107)
NetB2_2: B2.2 U5.5 | length 30.9
  Top Layer w0.25: B2.2@41.797,-12.373 ccw(c41.845,-11.889) v2@42.329,-11.937
  Top Layer w0.32: v2(20.72,-19.281) U5.5@22.423,-19.282 ; v2(42.407,-11.892) 42.713,-12.198 B2.2@42.713,-12.776
  Bottom Layer w0.25: 42.199,-12.486 ccw(c41.964,-12.181) v2@42.27,-11.946
  Bottom Layer w0.32: v2(20.72,-19.281) 20.72,-18.843 23.079,-16.485 28.313,-16.485 30.243,-18.414 36.287,-18.414 42.407,-12.294 v2(42.407,-11.892)
NetBT1_1: BT1.1 C99.1 D1.A Q3.3 R2.1 R99.2 TP1_1.1 U1.A1 | length 32.8
  Top Layer w0.2: U1.A1@14.322,-12.434 14.734,-12.434 15.777,-11.392
  Top Layer w0.25: 9.724,-6.51 cw(c9.535,-6.932) R99.2@9.956,-7.121 ; R99.2@10.356,-7.339 cw(c10.465,-7.752) 10.878,-7.643 ; 14.809,-11.349 cw(c14.703,-11.636) 14.99,-11.742 ; 15.085,-11.127 ccw(c15.109,-10.53) 15.707,-10.554 ; BT1.1@15.287,-10.114 cw(c15.222,-10.592) 15.7,-10.656 ; 16.113,-10.175 ccw(c16.594,-9.793) 16.976,-10.274 ; 16.15,-10.282 ccw(c16.609,-10.048) 16.843,-10.506
  Top Layer w0.5: R2.1@14.47,-11.243 15.719,-11.243
  Top Layer w0.6: D1.A@2.419,-5.198 3.939,-5.198 3.948,-5.207 5.728,-5.207 6.753,-6.232 9.666,-6.232 11.464,-8.03 13.517,-8.03 ; 13.517,-8.03 14.985,-8.03 15.295,-8.34 BT1.1@15.295,-9.43 ; 15.976,-11.501 C99.1@16.536,-10.94 ; C99.1@16.948,-10.94 C99.1@16.536,-10.94 ; Q3.3@20.507,-11.421 20.507,-11.2 19.217,-9.91 17.566,-9.91 C99.1@16.536,-10.94
  Top Layer w0.8: BT1.1@15.295,-9.43 15.976,-10.111 15.976,-11.501 15.719,-11.243
NetC6_2: C6.2 U3.2 U3.3 | length 8.4
  Top Layer w0.25: U3.3@25.849,-12.975 27.077,-12.975 27.508,-12.545 27.508,-11.365 ; U3.2@25.849,-11.705 27.168,-11.705 27.508,-11.365 ; C6.2@26.054,-9.072 26.458,-9.072 27.508,-10.122 27.508,-11.365 ; C6.2@26.238,-9.22 cw(c26.419,-9.418) 26.617,-9.237
NetC8_1: C8.1 C10.1 C11.1 | length 3.2
  Top Layer w0.25: C11.1@18.771,-16.537 18.771,-15.866 ; C8.1@18.771,-14.876 18.771,-15.866 ; C10.1@20.201,-15.501 19.836,-15.866 18.771,-15.866
NetC10_2: C10.2 R3.1 | length 1.3
  Top Layer w0.25: C10.2@21.34,-15.506 R3.1@22.645,-15.506
NetC12_1: C12.1 C13.2 D2.C U5.12 | length 12.4
  Top Layer w0.25: 30.237,-20.244 cw(c29.853,-20.723) 30.332,-21.107 ; C12.1@31.947,-20.287 C12.1@32.197,-20.537 ; D2.C@35.937,-17.367 D2.C@36.152,-17.367
  Top Layer w0.3: U5.12@28.163,-19.282 29.34,-19.282
  Top Layer w0.358: 29.34,-19.282 30.344,-20.287 30.78,-20.723 30.29,-21.213 C13.2@30.29,-22.388
  Top Layer w0.6: 30.78,-20.723 C12.1@32.113,-20.723 ; C12.1@32.535,-20.42 D2.C@35.704,-17.251
NetC13_1: C13.1 U5.11 | length 3.7
  Top Layer w0.25: U5.11@28.163,-19.932 29.207,-19.932 29.469,-20.195 29.469,-22.209 C13.1@29.29,-22.388
NetC14_2: C14.2 U5.14 | length 2.6
  Top Layer w0.25: U5.14@28.163,-17.982 29.272,-17.982 30.237,-18.948 C14.2@30.404,-18.948
NetC15_1: C15.1 U4.8 | length 2.3
  Top Layer w0.25: U4.8@26.46,-25.248 27.55,-25.248 28.249,-25.946 C15.1@28.493,-25.946
NetD1_C: D1.C U1.B2 | length 22.9
  Top Layer w0.2: D1.C@0.581,-5.447 cw(c0.626,-6.478) 1.391,-5.787 ; D1.C@0.798,-5.198 1.514,-5.913 3.281,-5.913 ; D1.C@1.141,-4.909 ccw(c2.084,-5.038) 1.715,-5.915 ; 13.922,-13.747 U1.B2@13.922,-12.834
  Top Layer w0.25: 3.281,-5.913 5.288,-5.913 8.52,-9.146 11.275,-9.146 11.599,-9.469 11.599,-14.099 11.765,-14.265 13.403,-14.265 13.922,-13.747
NetD3_A: D3.A R18.2 | length 5.9
  Top Layer w0.25: R18.2@46.958,-5.202 46.958,-4.791 47.448,-4.3 50.548,-4.3 50.909,-4.661 D3.A@50.909,-5.2 ; 50.659,-4.412 cw(c50.365,-4.725) D3.A@50.677,-5.018
NetD3_C: D3.C U4.1 | length 48.8
  Top Layer w0.258: U4.1@26.46,-29.798 27.751,-29.798 v5(28.759,-30.806) v5@28.773,-30.806 ; v5(46.764,-30.806) 46.422,-30.464 46.422,-6.709 47.274,-5.857 48.631,-5.857 D3.C@49.288,-5.2
  Bottom Layer w0.258: v5(28.759,-30.806) 29.124,-31.171 37.937,-31.171 38.302,-30.806 v5(46.764,-30.806) v5@46.792,-30.779
NetD4_C: D4.C J9.1 J17.1 | length 31.3
  Top Layer w0.5: v4(25.203,-39.839) 26.513,-39.839 27.213,-39.139 28.333,-39.139 30.447,-37.025 30.447,-32.397 34.083,-28.762 D4.C@34.639,-28.762
  Bottom Layer w0.5: J17.1@13.845,-43.412 13.845,-41.761 J9.1@15.114,-40.492 16.713,-38.893 23.193,-38.893 24.139,-39.839 v4(25.203,-39.839)
NetD5_C: D5.C Q3.2 S1.2 | length 42.1
  Top Layer w0.25: 22.115,-7.094 ccw(c23.306,-6.872) D5.C@23.528,-8.063 ; D5.C@22.689,-8.616 D5.C@22.877,-8.804
  Top Layer w0.7: v4(21.986,-5.654) 21.986,-7.913 D5.C@22.689,-8.616 ; v4@44.025,-3.574 v4(44.032,-3.568) S1.2@44.032,-1.419
  Top Layer w1: Q3.2@22.877,-10.471 D5.C@22.877,-8.804
  Bottom Layer w0.7: v4(21.986,-5.654) 21.986,-5.222 22.586,-4.621 22.586,-0.175 23.448,0.686 28.33,0.686 29.573,-0.557 29.573,-2.472 30.68,-3.579 33.84,-3.579 36.13,-5.869 42.662,-5.869 44.032,-4.5 v4(44.032,-3.568)
  other v3: 21.979,-6.485 44.036,-2.826
NetP3_1: P3.1 R16.2 | length 7.2
  Top Layer w0.22: P3.1@9.531,-26.309 9.531,-26.853 10.098,-27.419 12.956,-27.419 13.276,-27.099
  Top Layer w0.25: P3.1@9.531,-25.794 P3.1@9.853,-26.116 ; 13.276,-27.099 14.298,-26.077 R16.2@14.298,-25.473
NetP3_2: P3.2 R20.1 | length 3
  Top Layer w0.25: P3.2@12.071,-26.309 14.036,-24.344 R20.1@14.304,-24.344
NetP3_3: P3.3 R21.2 | length 6.4
  Top Layer w0.25: P3.3@9.531,-23.769 10.778,-25.015 12.658,-25.015 13.51,-24.163 13.51,-23.553 13.885,-23.178 R21.2@14.291,-23.178
NetP3_4: P3.4 R22.1 | length 4.5
  Top Layer w0.25: P3.4@12.071,-23.342 P3.4@12.071,-23.769 13.303,-22.538 15.098,-22.538 15.285,-22.351 R22.1@15.285,-22.036
NetP7_1: P7.1 P10.1 U3.8 | length 19
  Top Layer w0.2: P7.1@34.847,-6.565 ccw(c34.561,-6.23) 34.896,-5.945
  Top Layer w0.25: P10.1@27.073,-5.395 27.144,-5.466 34.437,-5.466 35.141,-6.17 P7.1@35.141,-7.455 35.141,-7.942 35.141,-8.241 32.947,-10.435 U3.8@31.437,-10.435 ; P10.1@27.411,-6.317 cw(c28.181,-6.235) 28.099,-5.465 ; P10.1@27.479,-4.663 ccw(c28.21,-4.74) 28.133,-5.47 ; 34.575,-8.809 ccw(c34.2,-8.434) P7.1@34.575,-8.059
NetP7_2: P7.2 P10.2@25.073,-5.495 R17.2 U3.5 | length 36.4
  Top Layer w0.2: 36.573,-9.014 ccw(c36.301,-8.415) P7.2@36.901,-8.144
  Top Layer w0.25: P10.2@25.073,-5.495 25.073,-3.781 25.36,-3.494 28.008,-3.494 29.48,-4.966 34.965,-4.966 37.302,-7.303 P7.2@37.302,-7.455 37.302,-8.455 36.73,-9.027 35.229,-9.027 32.956,-11.3 32.956,-13.893 32.603,-14.245 U3.5@31.437,-14.245 27.821,-14.245 26.56,-15.506 R17.2@25.915,-15.506 ; P10.2@25.297,-4.055 cw(c25.698,-3.896) 25.539,-3.496 ; 36.385,-6.391 ccw(c36.875,-5.691) P7.2@37.173,-6.492 ; 36.402,-6.416 cw(c35.579,-7.16) P7.2@36.678,-7.312 ; R17.2@25.915,-15.506 25.905,-15.496 R17.2@25.762,-15.496 25.772,-15.506 R17.2@25.915,-15.506
NetQ1_1: Q1.1 R25.2 | length 4.6
  Top Layer w0.2: Q1.1@37.538,-32.24 37.538,-34.217 38.012,-34.692 38.012,-34.898 38.012,-36.082 R25.2@37.607,-36.488
NetQ2_1: Q2.1 R26.2 | length 4.4
  Top Layer w0.2: R26.2@36.458,-36.512 36.458,-35.325 36.713,-35.07 36.713,-33.088 36.579,-32.954 Q2.1@36.579,-32.252
NetQ3_1: Q3.1 R4.1 R15.2 | length 2.6
  Top Layer w0.25: R4.1@21.456,-13.628 22.707,-13.628 22.717,-13.638 22.877,-13.478 Q3.1@22.877,-12.371
NetR1_2: R1.2 U1.C1 | length 1.3
  Top Layer w0.2: R1.2@12.312,-12.434 U1.C1@13.522,-12.434
  Top Layer w0.25: R1.2@12.256,-12.49 R1.2@12.312,-12.434
NetR2_2: R2.2 R14.1 U1.B1 | length 2.5
  Top Layer w0.2: U1.B1@13.922,-12.434 13.922,-11.891
  Top Layer w0.25: R14.1@12.215,-11.193 13.224,-11.193 13.922,-11.891
NetR3_2: R3.2 R17.1 U3.4 | length 3.1
  Top Layer w0.25: R3.2@23.645,-15.506 R17.1@24.762,-15.506 ; R17.1@24.762,-15.496 24.762,-14.865 25.381,-14.245 U3.4@25.849,-14.245
NetR6_2: R6.2 U5.16 | length 2.3
  Top Layer w0.25: U5.16@28.163,-16.682 30.336,-16.682 R6.2@30.398,-16.744
NetR7_2: R7.2 U5.15 | length 2.4
  Top Layer w0.25: U5.15@28.163,-17.332 29.489,-17.332 29.988,-17.831 R7.2@30.404,-17.831
NetR8_1: R8.1 U5.3 | length 4.3
  Top Layer w0.25: R8.1@18.793,-18.922 20.016,-17.7 21.104,-17.7 21.386,-17.982 U5.3@22.423,-17.982
NetR9_2: R9.2 U5.9 | length 1.3
  Top Layer w0.25: R9.2@27.753,-22.363 28.163,-21.953 U5.9@28.163,-21.232
NetR10_2: R10.2 U5.10 | length 3.5
  Top Layer w0.25: R10.2@25.394,-22.363 25.542,-22.363 27.323,-20.582 U5.10@28.163,-20.582
NetR11_2: R11.2 U5.1 | length 8.7
  Top Layer w0.25: U5.1@21.845,-16.682 U5.1@22.121,-16.682 ; U5.1@22.423,-16.682 26.614,-16.682 27.244,-16.052 28.92,-16.052 29.302,-15.67 R11.2@30.404,-15.67
NetR12_1: R12.1 U5.6 | length 4
  Top Layer w0.25: R12.1@18.837,-20.994 20.079,-20.994 21.14,-19.932 U5.6@22.423,-19.932
NetR98_2: R98.2 R99.1 U4.3 | length 49.5
  Top Layer w0.25: v5(3.904,-28.811) 5.331,-27.384 5.331,-9.845 v1@6.462,-8.714 ; R98.2@9.117,-8.39 R99.1@9.117,-7.203 ; v5(16.444,-30.538) 22.721,-30.538 24.761,-28.498 U4.3@26.46,-28.498
  Bottom Layer w0.25: v5(3.904,-28.811) 5.708,-30.615 16.367,-30.615 v5(16.444,-30.538) ; v1@6.462,-8.714 7.379,-7.797 v5(9.102,-7.797)
  other v1: 6.539,-8.729
NRST: C18.2 P12.1 R13.2 U4.4 | length 10.2
  Top Layer w0.22: 28.068,-27.655 ccw(c28.187,-27.331) C18.2@28.51,-27.45 ; 28.213,-27.503 cw(c28.475,-27.51) C18.2@28.482,-27.248 ; C18.2@28.309,-27.591 cw(c27.98,-28.044) R13.2@28.432,-28.373 ; C18.2@28.687,-27.482 ccw(c29.12,-27.89) R13.2@28.712,-28.323 ; R13.2@28.722,-28.429 ccw(c29.15,-28.779) 28.8,-29.207 ; 29.086,-29.501 ccw(c29.396,-29.23) P12.1@29.667,-29.54
  Top Layer w0.25: U4.4@26.46,-27.848 27.884,-27.848 C18.2@28.316,-27.415 ; R13.2@28.533,-28.676 C18.2@28.533,-27.354 ; R13.2@28.548,-28.472 28.548,-28.97 29.705,-30.127 P12.1@30.159,-30.127
P0: J13.1 P2.3 | length 27.5
  Top Layer w0.25: P2.3@39.73,-23.77 40.966,-22.534 43.386,-22.534 43.995,-23.144 43.995,-24.766 45.37,-26.14 45.37,-38.34 49.405,-42.375 J13.1@49.405,-43.412
P1: J5.1 J19.1 P4.3 | length 16.1
  Bottom Layer w0.25: J5.1@35.434,-40.492 35.434,-41.514 37.332,-43.412 J19.1@39.245,-43.412 39.245,-42.248 38.449,-41.453 38.449,-36.639 39.73,-35.358 P4.3@39.73,-34.57 ; P4.3@39.414,-35.08 cw(c39.243,-35.38) 39.542,-35.551 ; P4.3@39.566,-34.406 P4.3@39.73,-34.242